# Altium PCB 4S SMART BMS İsmet Akalın.PcbDoc (part 1 of 2)
Units mm, origin at the board's own origin, x right, y up, seen from the top; angles counter-clockwise.
Board outline 88.9 x 58.42 mm, 4 copper layers (Top Layer, GND, PWR, Bottom Layer), stack 1.509 mm thick; 123 components, 76 nets, 450 pads, 260 vias.
Unrouted connection lines stored in the file: 5.
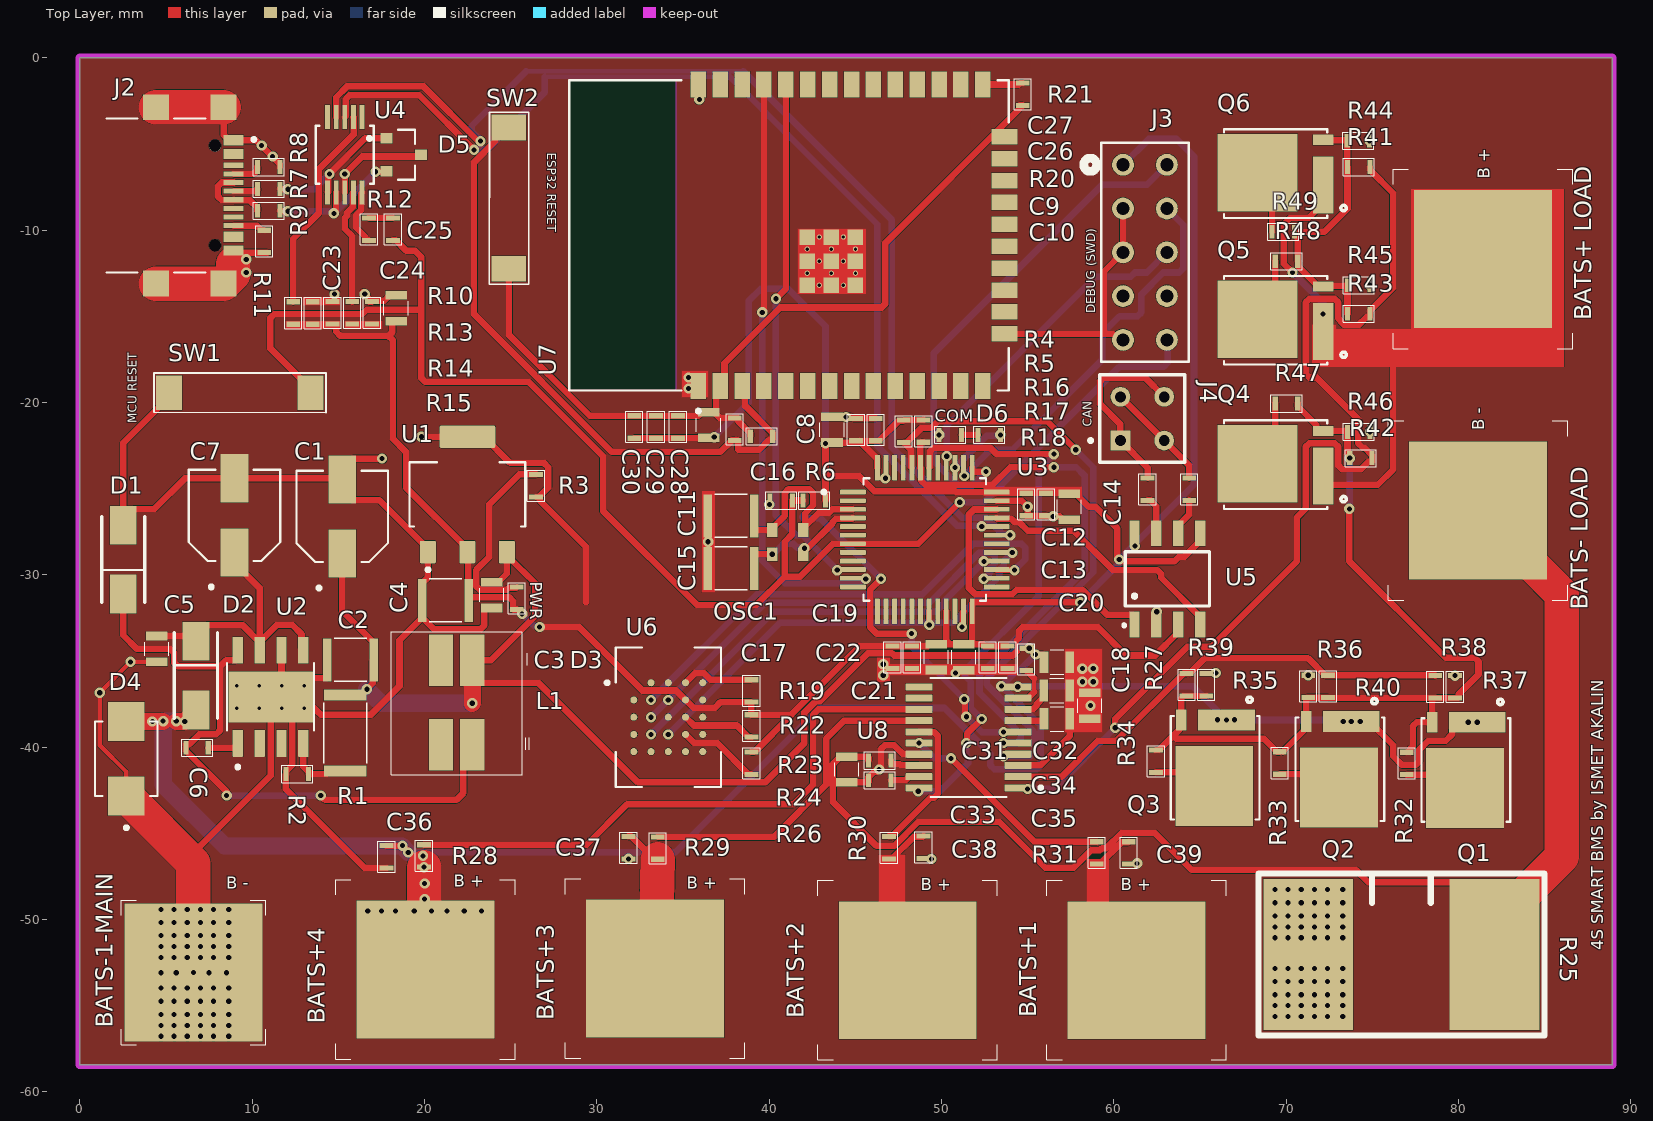
[diagram p0: Top Layer view]
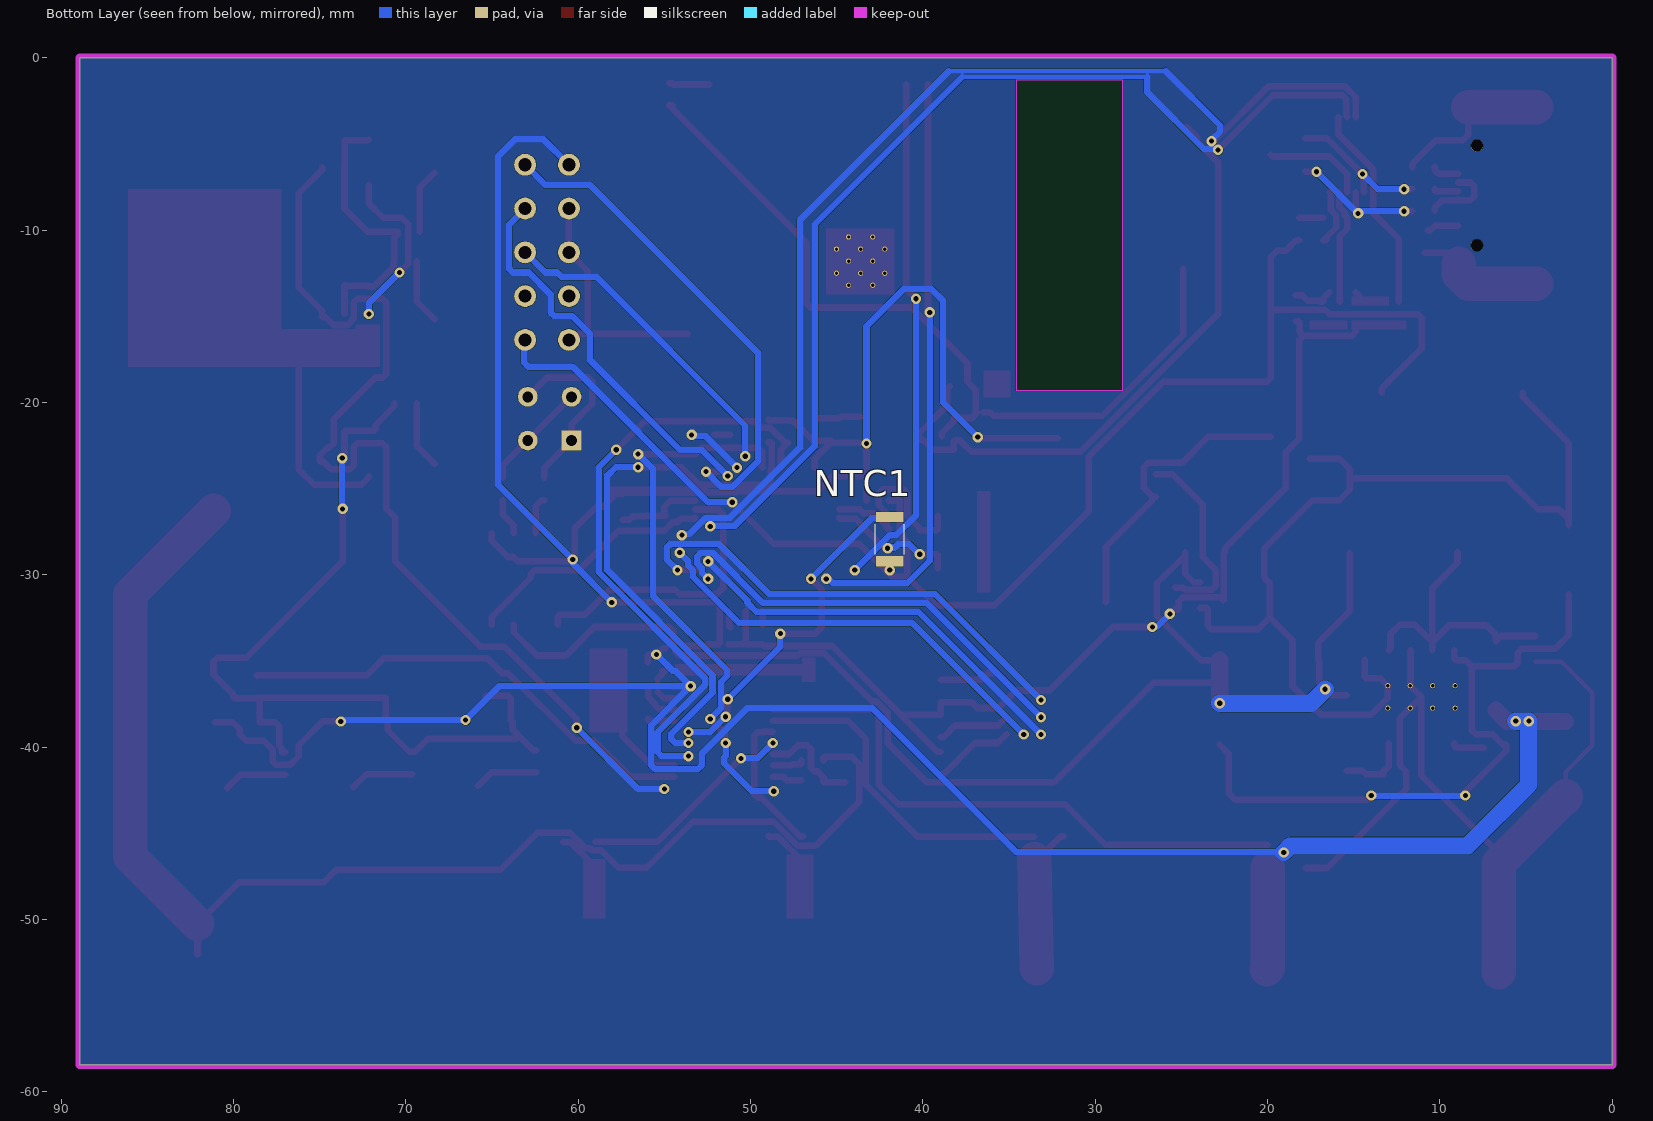
[diagram p1: Bottom Layer view, seen from below]
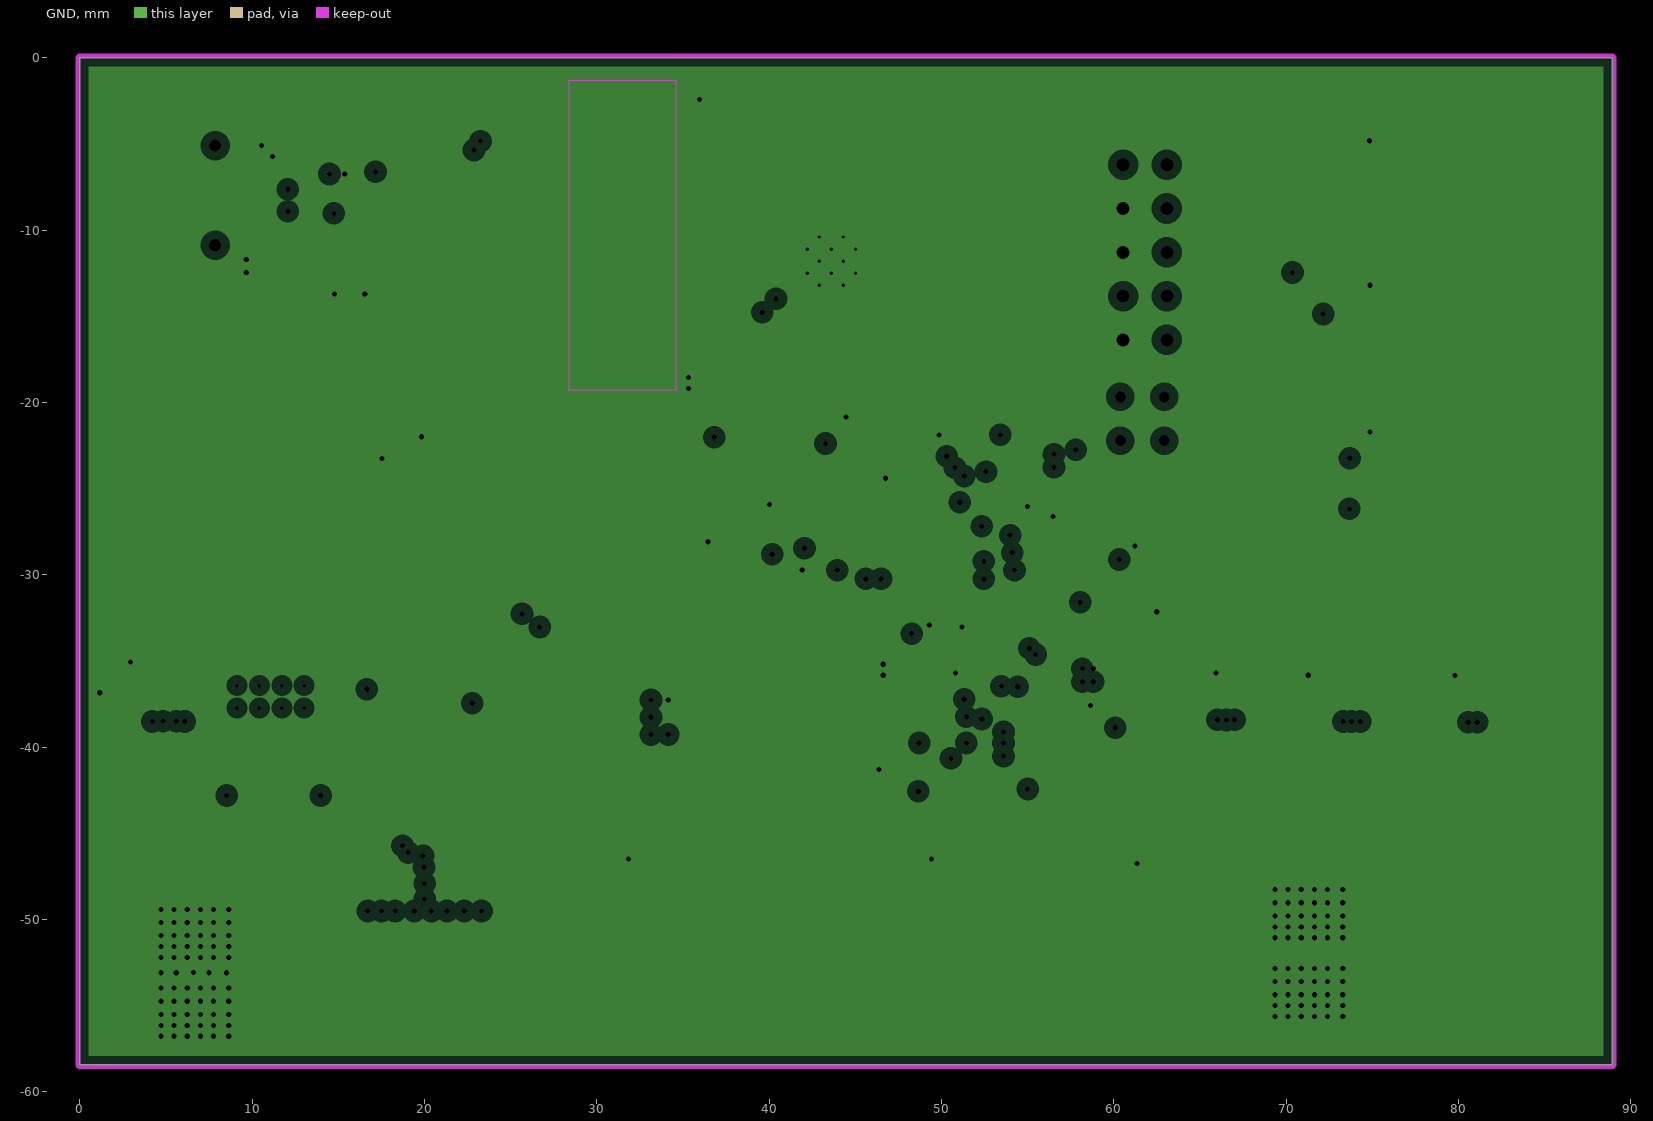
[diagram p2: GND, clearances drawn from the general rule]
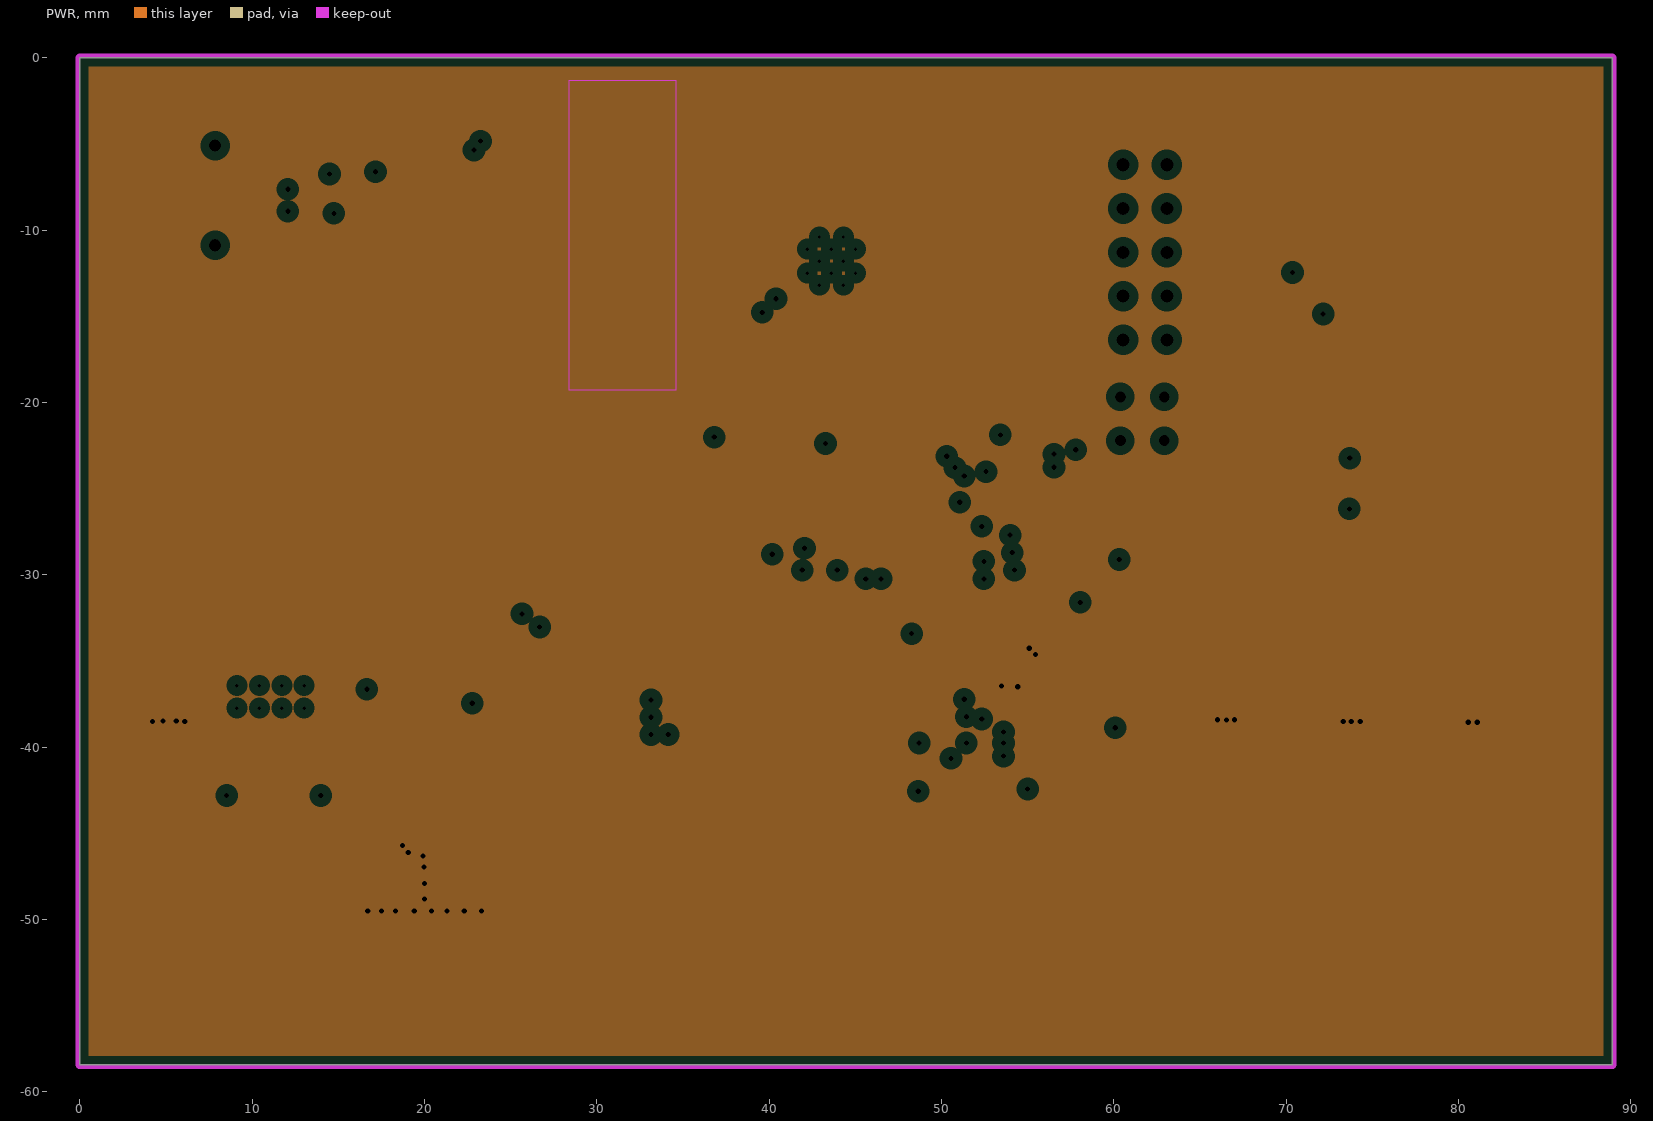
[diagram p3: PWR, clearances drawn from the general rule]
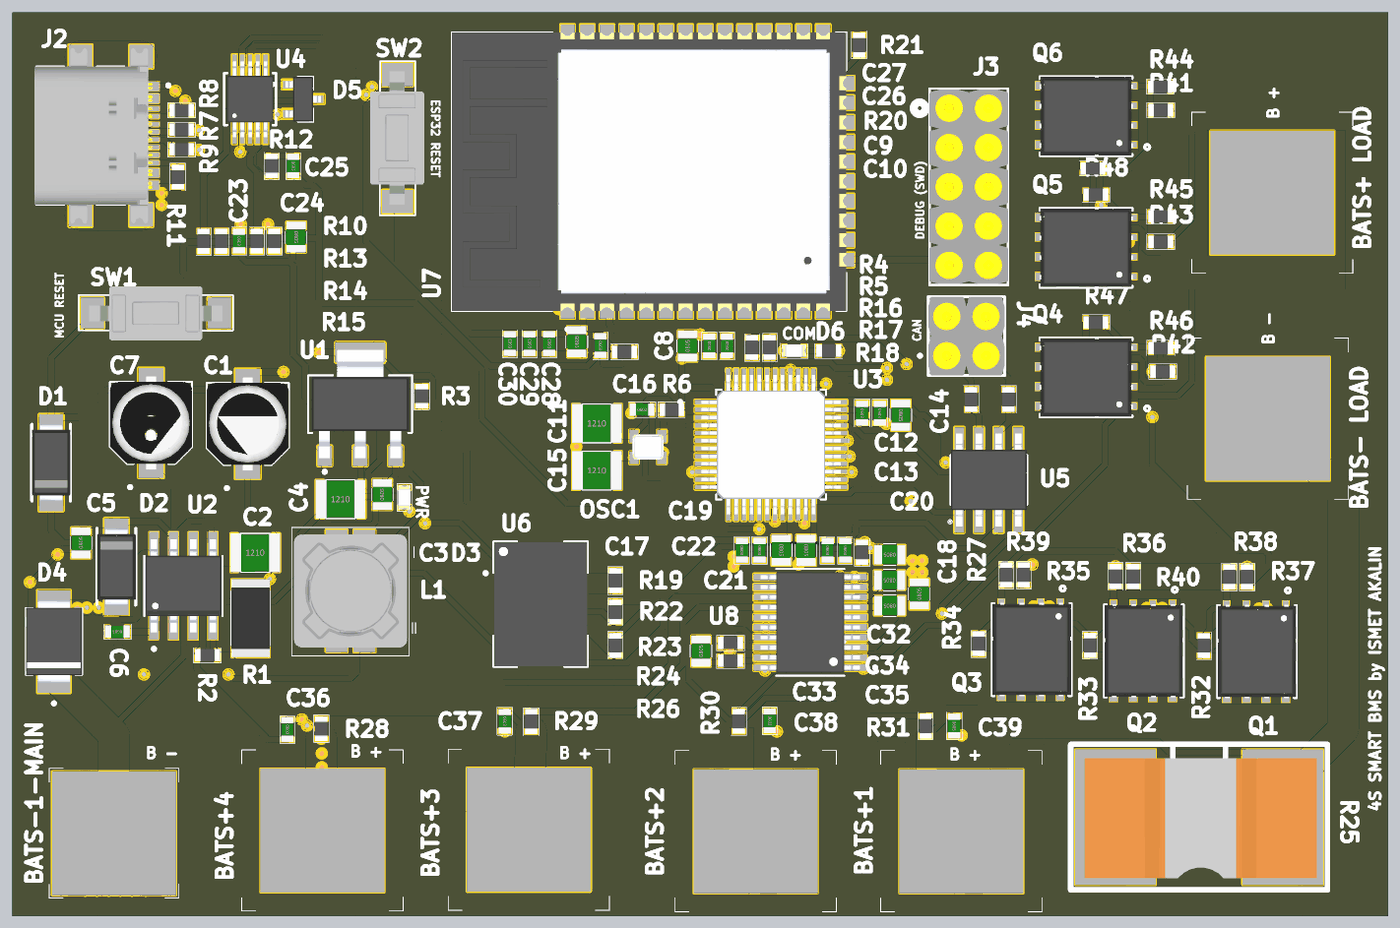
[diagram p5: 3D render of the assembled board from above, using the file's embedded part models]

## Layer stack, top to bottom
Top Solder: solder mask 0.0254, SM-001, Dk 4
Top Layer: signal copper 0.07
Dielectric 1: prepreg 0.1295, PP-017, Dk 4.3
Dielectric 2: prepreg 0.1295, PP-017, Dk 4.3
GND: plane copper 0.07, net GND
Dielectric 3: core 0.7112, Core-039, Dk 4.8
PWR: plane copper 0.07, net BAT+
Dielectric 4: prepreg 0.1295, PP-017, Dk 4.3
Dielectric 5: prepreg 0.1295, PP-017, Dk 4.3
Bottom Layer: signal copper 0.07
Bottom Solder: solder mask 0.0254, SM-001, Dk 4

## Board outline
0,-58.42 0,0 88.9,0 88.9,-58.42

## Design rules (kind name [scope] priority, off if disabled: settings)
Clearance [All] p1: gap=0.01 ignorepadtopadclearanceinfootprint=TRUE
PlaneClearance [All] p1: clearance=0.508
PlaneConnect [All] p1: planeconnectstyle=Relief reliefexpansion=0.508 reliefentries=4 reliefconductorwidth=0.254 reliefairgap=0.254
PolygonConnect [All] p1: connectstyle=Relief reliefconductorwidth=0.254 reliefentries=4 polygonreliefangle="90 Angle" airgapwidth=0.254
RoutingCorners [All] p1: cornerstyle=45-Degree minsetback=0.01 maxsetback=0.01
RoutingVias [All] p1: holewidth=0.711 width=1.27 viastyle="Through Hole" minholewidth=0.711 minwidth=1.27 maxholewidth=0.711 maxwidth=1.27
ShortCircuit [All] p1 off: allowed=FALSE
SolderMaskExpansion [All] p1: expansion=0.102 istentingtop=FALSE
SupplyNets "Schematic Supply Nets_1" [InNet('GND')] p1: voltage=0.000
SupplyNets "Schematic Supply Nets" [InNet('BAT+')] p2: voltage=0.000
UnRoutedNet [All] p1 off:
UnpouredPolygon [All] p1 off:
Width [All] p1: maxlimit=10 minlimit=2539.975 preferedwidth=2 toplayer_minwidth=0 bottomlayer_minwidth=0 minimp=50.000000 maximp=50.000000 favimp=50.000000
24 further rules are at their usual default settings.

## Classes and differential pairs
component class Power: "BATS+ LOAD" "BATS- LOAD" C1 C2 C3 C4 C5 C6 C7 D1 D2 D3 D4 L1 R1 R2 R3 U1 U2
component class MCU: C8 C9 C10 C11 C12 C13 C14 C15 C16 C17 C18 C19 C20 C21 C22 OSC1 R4 R5 R6 SW1 U3
component class "ESP32 and Flash": C26 C27 C28 C29 C30 R19 R20 R21 R22 R23 SW2 U6 U7
component class COM: C23 C24 C25 D5 D6 J2 J3 J4 R7 R8 R9 R10 R11 R12 R13 R14 R15 R16 R17 R18 U4 U5
component class "AFE and MOSFETs": BATS+1 BATS+2 BATS+3 BATS+4 BATS-1-MAIN C31 C32 C33 C34 C35 C36 C37 C38 C39 NTC1 Q1 Q2 Q3 Q4 Q5 Q6 R24 R25 R26 R27 R28 R29 R30 R31 R32 R33 R34 R35 R36 R37 R38 R39 R40 R41 R42 R43 R44 R45 R46 R47 R48 R49 U8

## Components (designator, comment, footprint, x,y, rotation, side; value= is the part's Value field where it differs from the comment)
BATS+1 "BATTERY + 1S" "BATTERY +1S" 61.316,-52.934 r0 top
BATS+2 "BATTERY + 1S" "BATTERY +1S" 48.031,-52.934 r0 top
BATS+3 "BATTERY + 1S" "BATTERY +1S" 33.376,-52.832 r0 top
BATS+4 "BATTERY + 1S" "BATTERY +1S" 20.041,-52.883 r0 top
"BATS+ LOAD" "BATTERY + 1S" "BATTERY +1S" 81.407,-11.659 r90 top
BATS-1-MAIN "BATTERY -1S" "BATTERY -1S" 6.579,-53.061 r90 top (schematic designator BATS-1-MAİN)
"BATS- LOAD" "BATTERY -1S" "BATTERY -1S" 81.128,-26.264 r90 top
C1 "EEE-1AA101WR" CAP_EEE-1AA101WR 15.215,-26.603 r90 top value=100µF
C2 "C1210C226J8RACTU" "CAP CER 1210" 15.697,-34.925 r180 top value=22µF
C3 "0805W106K500CC" "CAP CER 0805" 23.901,-31.166 r270 top
C4 "C1210C226J8RACTU" "CAP CER 1210" 21.209,-31.471 r180 top value=22µF
C5 "CL21B105KBFNNNE" "CAP CER 0805" 4.445,-34.29 r270 top value=1µF
C6 "C0603C103J5RACTU" "CAP CER 0603" 6.792,-40.03 r0 top value=10nF
C7 "EEE-FK1E470P" CAP_EEE-FK1E470P 8.966,-26.543 r90 top value=47µF
C8 "CL21B106KQQNNNG" "CAP CER 0805" 43.637,-21.565 r270 top value=10µF
C9 "KGM15AR70J104JT" "CAP CER 0603" 45.034,-21.565 r270 top value=100nF
C10 "KGM15AR70J104JT" "CAP CER 0603" 46.177,-21.565 r270 top value=100nF
C11 "C1210C226J8RACTU" "CAP CER 1210" 37.77,-26.568 r180 top value=22µF
C12 "KGM15AR70J104JT" "CAP CER 0603" 54.915,-25.908 r90 top value=100nF
C13 "KGM15AR70J104JT" "CAP CER 0603" 56.058,-25.908 r90 top value=100nF
C14 "CL21B106KQQNNNG" "CAP CER 0805" 57.404,-26.035 r90 top value=10µF
C15 "C1210C226J8RACTU" "CAP CER 1210" 37.77,-29.616 r180 top value=22µF
C16 "KGM15AR70J104JT" "CAP CER 0603" 40.691,-25.679 r180 top value=100nF
C17 "KGM15AR70J104JT" "CAP CER 0603" 47.142,-34.773 r90 top value=100nF
C18 "KGM15AR70J104JT" "CAP CER 0603" 53.823,-34.773 r90 top value=100nF
C19 "KGM15AR70J104JT" "CAP CER 0603" 48.285,-34.773 r90 top value=100nF
C20 "KGM15AR70J104JT" "CAP CER 0603" 52.68,-34.773 r90 top value=100nF
C21 "CL21B106KQQNNNG" "CAP CER 0805" 49.682,-34.761 r90 top value=10µF
C22 "CL21B106KQQNNNG" "CAP CER 0805" 51.283,-34.773 r90 top value=10µF
C23 "KGM15AR70J104JT" "CAP CER 0603" 14.656,-14.783 r90 top value=100nF
C24 "0805W106K500CC" "CAP CER 0805" 18.339,-14.529 r90 top
C25 "KGM15AR70J104JT" "CAP CER 0603" 18.161,-9.931 r90 top value=100nF
C26 "KGM15AR70J104JT" "CAP CER 0603" 37.998,-21.539 r90 top value=100nF
C27 "CL21B106KQQNNNG" "CAP CER 0805" 36.474,-21.297 r270 top value=10µF
C28 "KGM15AR70J104JT" "CAP CER 0603" 34.696,-21.412 r270 top value=100nF
C29 "KGM15AR70J104JT" "CAP CER 0603" 33.426,-21.412 r270 top value=100nF
C30 "KGM15AR70J104JT" "CAP CER 0603" 32.156,-21.412 r270 top value=100nF
C31 "KGM21NR71H104KT" "CAP CER 0805" 58.598,-37.592 r270 top value=100nF
C32 "CL21B105KBFNNNE" "CAP CER 0805" 56.693,-38.354 r0 top value=1µF
C33 "KGM21NR71H104KT" "CAP CER 0805" 44.501,-41.287 r270 top value=100nF
C34 "CL21B105KBFNNNE" "CAP CER 0805" 56.681,-36.703 r0 top value=1µF
C35 "KGM21NR71H104KT" "CAP CER 0805" 56.693,-35.052 r0 top value=100nF
C36 "C0603C103J5RACTU" "CAP CER 0603" 17.78,-46.355 r90 top value=10nF
C37 "C0603C103J5RACTU" "CAP CER 0603" 31.826,-45.822 r90 top value=10nF
C38 "C0603C103J5RACTU" "CAP CER 0603" 48.946,-45.796 r90 top value=10nF
C39 "C0603C103J5RACTU" "CAP CER 0603" 60.858,-46.126 r90 top value=10nF
D1 "SS54" "DO-214AC (SMA)" 2.515,-29.108 r90 top
D2 "SS54" "DO-214AC (SMA)" 6.731,-35.839 r270 top
D3 "LTST-C190KRKT" "LED 0603" 25.349,-31.354 r270 top value=100µF
D4 "SMBJ24A" SMBJ24A 2.692,-40.665 r90 top
D5 "PESD5V0S2BT,215" SOT-23 18.796,-5.613 r0 top
D6 "LTST-C190GKT" "LED 0603" 50.506,-21.869 r180 top
J2 "GSB1C41110SSHR" TYPE-C 5.232,-7.976 r270 top
J3 "TD-105-T-A" TD-105-T-A 61.798,-11.278 r270 top
J4 "TD-102-T-A" TD-102-T-A 61.646,-20.93 r0 top
L1 "SRF0703-330M" "SRF0703 Series INDUCTOR" 21.858,-37.4 r0 top value=33µH
NTC1 "NC20KC0100KBA" "NTC 1206" 41.91,-27.923 r90 bottom value="10Ω NTC"
OSC1 "END4263D-32M" "OSC_4-SMD, No Lead" 41.072,-28.092 r0 top
Q1 "BSC010N04LSIATMA1" 8-PowerTDFN 80.421,-41.317 r270 top
Q2 "BSC010N04LSIATMA1" 8-PowerTDFN 73.11,-41.273 r270 top
Q3 "BSC010N04LSIATMA1" 8-PowerTDFN 65.866,-41.19 r270 top
Q4 "BSC010N04LSIATMA1" 8-PowerTDFN 69.376,-23.601 r180 top
Q5 "BSC010N04LSIATMA1" 8-PowerTDFN 69.376,-15.219 r180 top
Q6 "BSC010N04LSIATMA1" 8-PowerTDFN 69.376,-6.71 r180 top
R1 "Y162731K0000T9R" "RES 2010" 15.392,-39.167 r90 top value=31kΩ
R2 "RMCF0603FT10K0" "RES 0603" 12.613,-41.554 r0 top value=10kΩ
R3 "CRG0603F330R" "RES 0603" 26.467,-24.816 r90 top value=330Ω
R4 "ERA-3AEB472V" "RES 0603" 47.803,-21.666 r90 top value=4.7kΩ
R5 "ERA-3AEB472V" "RES 0603" 48.946,-21.651 r90 top value=4.7kΩ
R6 "RMCF0603FT10K0" "RES 0603" 42.611,-25.679 r180 top value=10kΩ
R7 "RMCF0603FT22R0" "RES 0603" 10.947,-7.595 r0 top value=22Ω
R8 "RC0603FR-075K1L" "RES 0603" 10.947,-6.325 r180 top value=5.1kΩ
R9 "RMCF0603FT22R0" "RES 0603" 10.947,-8.865 r0 top value=22Ω
R10 "RMCF0603ZT0R00" "RES 0603" 12.37,-14.798 r270 top value=0Ω
R11 "RC0603FR-075K1L" "RES 0603" 10.693,-10.643 r270 top value=5.1kΩ
R12 "RMCF0603ZT0R00" "RES 0603" 16.764,-9.931 r90 top value=0Ω
R13 "RMCF0603ZT0R00" "RES 0603" 15.799,-14.783 r270 top value=0Ω
R14 "RMCF0603FT10K0" "RES 0603" 16.942,-14.783 r90 top value=10kΩ
R15 "RMCF0603FT10K0" "RES 0603" 13.513,-14.798 r90 top value=10kΩ
R16 "CRG0603F330R" "RES 0603" 52.756,-21.869 r180 top value=330Ω
R17 "ERA-3AEB121V" "RES 0603" 61.951,-25.019 r90 top value=120Ω
R18 "ERA-3AEB121V" "RES 0603" 64.364,-25.019 r90 top value=120Ω
R19 "RMCF0603FT10K0" "RES 0603" 38.964,-36.728 r90 top value=10kΩ
R20 "RMCF0603FT10K0" "RES 0603" 39.548,-21.946 r180 top value=10kΩ
R21 "RMCF0603FT10K0" "RES 0603" 54.712,-2.108 r270 top value=10kΩ
R22 "RMCF0603FT10K0" "RES 0603" 38.964,-38.76 r270 top value=10kΩ